# Altium PCB MailboxSensorV2.PcbDoc (part 1 of 2) (continued)
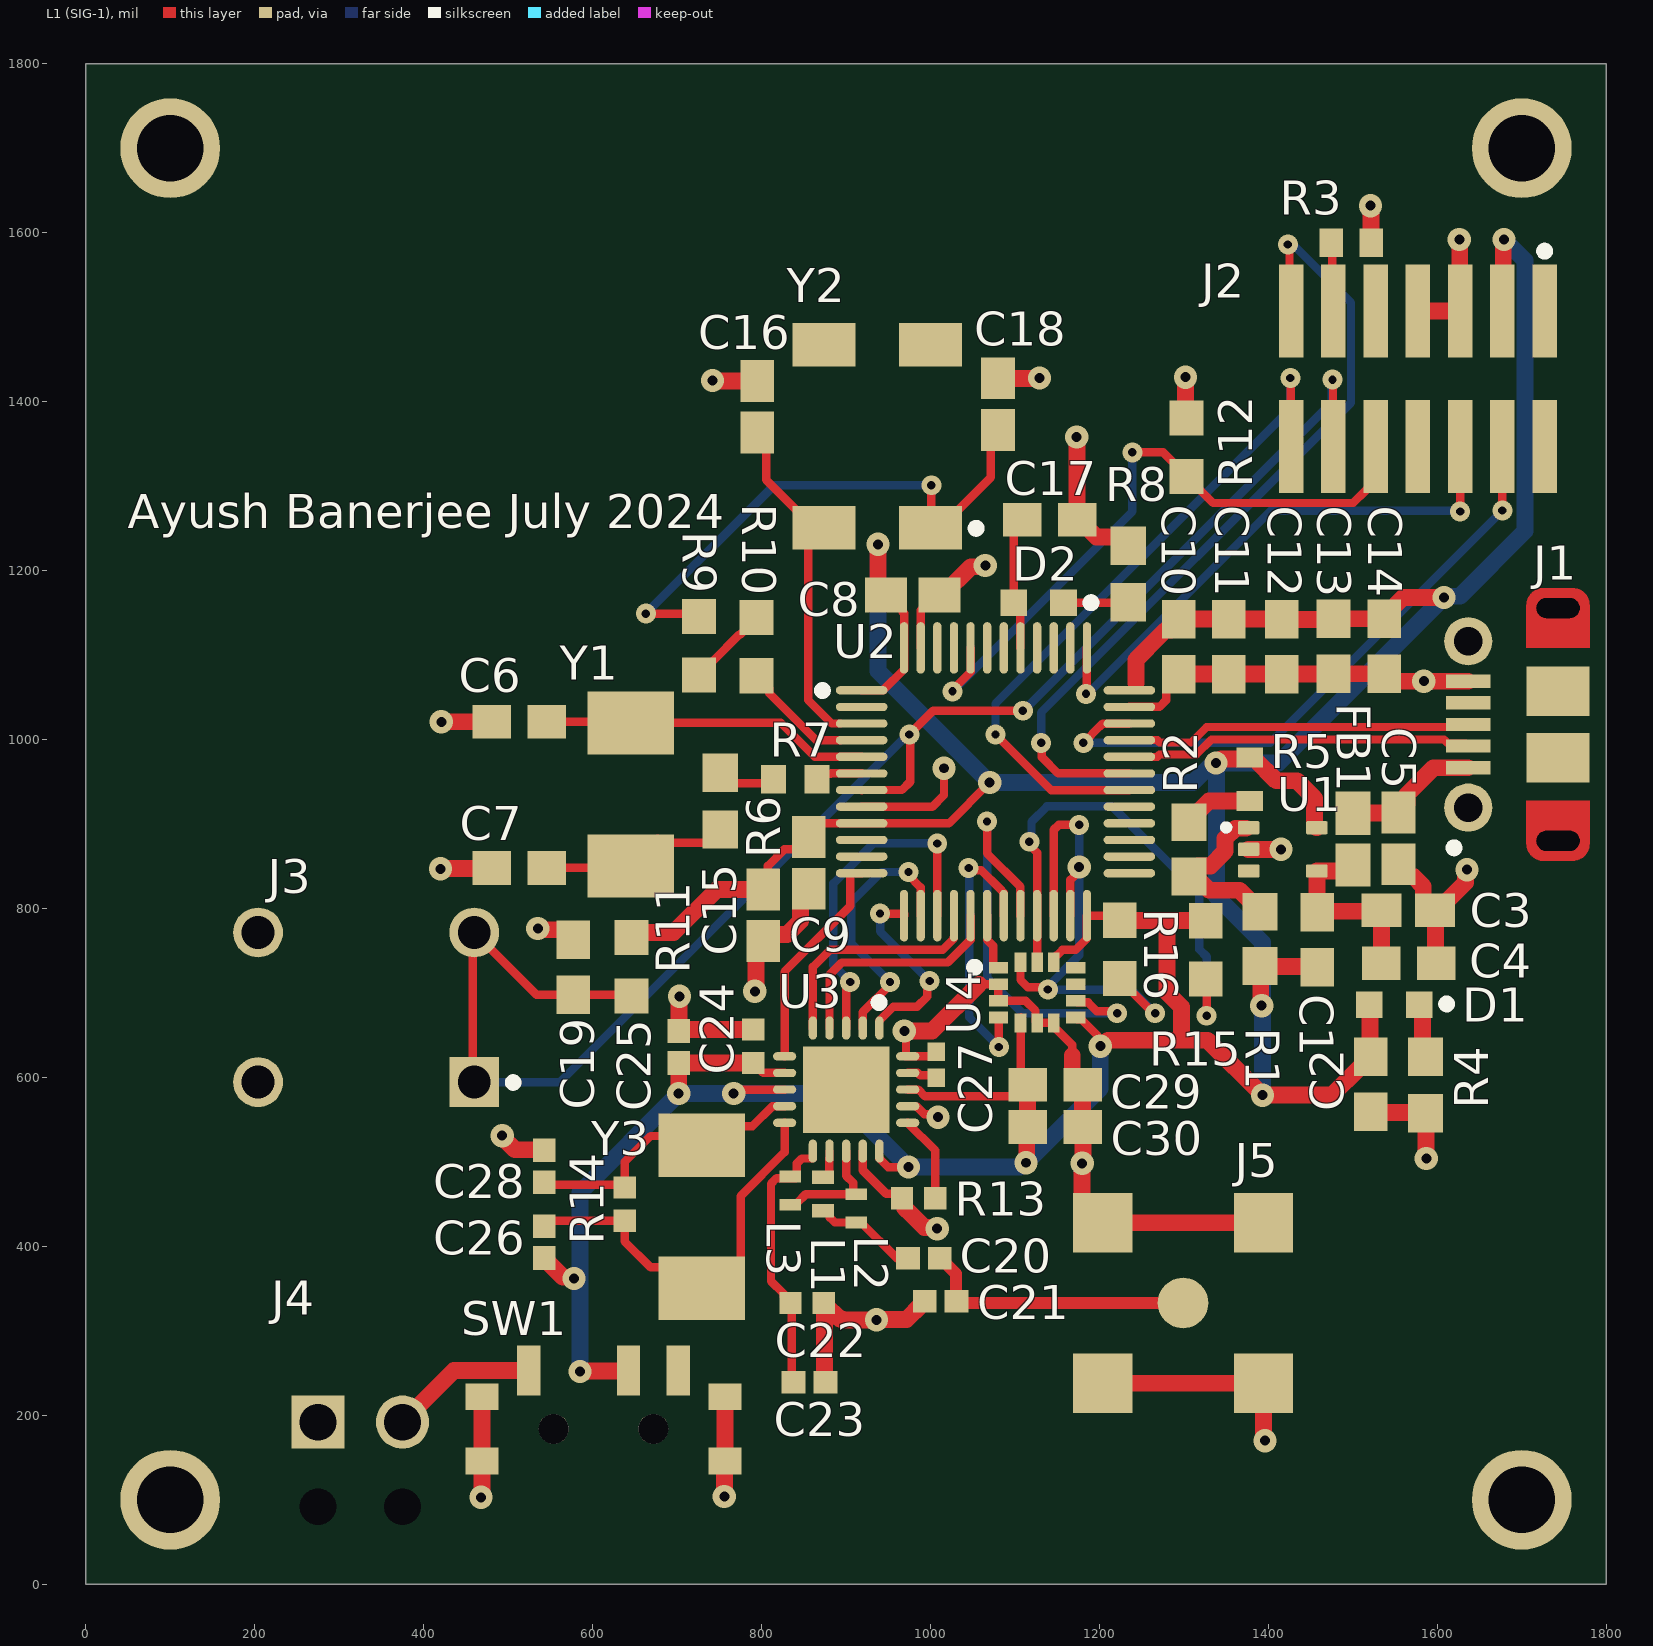
[diagram p0: L1 (SIG-1) view]
## Components (designator, comment, footprint, x,y, rotation, side; value= is the part's Value field where it differs from the comment)
C1 "0.1 uF" 0_1uF_0603_Capacitor 1458,763 r270 top value=100nF
C2 "0.47uF" 0_47uF_0603_Capacitor 1521,592 r270 top value=470nF
C3 "10 uF" 10uF_0603_Capacitor 1565.57,798 r0 top value=10uF
C4 "0.1 uF" 0_1uF_0603_Capacitor 1566,735 r0 top value=100nF
C5 "10 nF" 10nF_0603_Capacitor 1554,883 r270 top value=10nF
C6 "22 pF" 22pF_0603_Capacitor 513,1021 r180 top value=22pF
C7 "22 pF" 22pF_0603_Capacitor 513,848 r180 top value=22pF
C8 "4.7 uF" 4_7uF_0603_Capacitor 979,1171 r0 top value=4.7uF
C9 "1 uF" 1uF_0603_Capacitor 856,854 r270 top value=1uF
C10 "0.1 uF" 0_1uF_0603_Capacitor 1294,1110 r270 top value=100nF
C11 "0.1 uF" 0_1uF_0603_Capacitor 1353,1110 r270 top value=100nF
C12 "0.1 uF" 0_1uF_0603_Capacitor 1416,1110 r270 top value=100nF
C13 "0.1 uF" 0_1uF_0603_Capacitor 1477,1110.45 r270 top value=100nF
C14 "0.1 uF" 0_1uF_0603_Capacitor 1537,1110.45 r270 top value=100nF
C15 "10 nF" 10nF_0603_Capacitor 802,792 r270 top value=10nF
C16 "20 pF" 20pF_0603_Capacitor 795,1394 r90 top value=20pF
C17 "0.47uF" 0_47uF_0603_Capacitor 1141,1260 r0 top value=470nF
C18 "20 pF" 20pF_0603_Capacitor 1080,1397 r90 top value=20pF
C19 "0.1 uF" 0_1uF_0603_Capacitor 577,730.45 r90 top value=100nF
C20 "1.5 pF" 1_5pF_0402_Capacitor 992.16,386 r180 top value=1.5pF
C21 "1 pF" 1pF_0402_Capacitor 1012,335 r180 top value=1pF
C22 "2.2 nF" 2_2nF_0402_Capacitor 854,333 r0 top value=2.2nF
C23 "4.7 pF" 4_7pF_0402_Capacitor 856.81,238.96 r0 top value=4.7pF
C24 "10 nF" 10nF_0402_Capacitor 790,637 r90 top value=10nF
C25 "1 nF" 1nF_0402_Capacitor 702,636 r90 top value=1nF
C26 "20 pF" 20pF_0402_Capacitor 543,405 r90 top value=20pF
C27 "33 nF" 33nF_0402_Capacitor 1007,615 r90 top value=33nF
C28 "20 pF" 20pF_0402_Capacitor 543,494.84 r270 top value=20pF
C29 "0.1 uF" 0_1uF_0603_Capacitor 1147.5,591.33 r0 top value=100nF
C30 "0.1 uF" 0_1uF_0603_Capacitor 1147.5,541.33 r0 top value=100nF
D1 "Green" Green_LED 1549,686 r180 top
D2 "Blue" Blue_LED 1128,1162 r180 top
FB1 "BLM18PG221SN1D" Ferrite_Bead 1500,882 r90 top
J1 "USB_Connector" MICRO_USB 1689.76,1017.82 r90 top
J2 "FTSH-107-01-L-DV-K" SWD_Header_Connector 1577,1427.12 r180 top
J3 "Push" Push_Button 332,683 r180 top
J4 "Terminal" Screw_Terminal 325,192 r0 top
J5 "SMA" SMA_Connector 1299,333 r0 top
L1 "3.9 nH" 3_9nH_0402_Inductor 873,462 r270 top
L2 "8.2 nH" 8_2nH_0402_Inductor 912,445 r270 top
L3 "2.7 nH" 2_7nH_0402_Inductor 834,466 r90 top
R1 "1 M" 1M_0603_Resistor 1390,764 r270 top value=1MR
R2 "1 M" 1M_0603_Resistor 1306,870 r270 top value=1MR
R3 "100 R" 100R_0603_Resistor 1498,1588 r180 top value=100R
R4 "180 R" 180R_0603_Resistor 1586,591 r90 top value=180R
R5 "750 k" 750k_0603_Resistor 1378,953 r270 top value=750kR
R6 "680 R" 680R_0603_Resistor 751,927 r90 top value=680R
R7 "220 R" 220R_0603_Resistor 840,953 r0 top value=220R
R8 "180 R" 180R_0603_Resistor 1234,1196 r90 top value=180R
R9 "100 k" 100k_0603_Resistor 726,1111 r270 top value=100kR
R10 "150 k" 150k_0603_Resistor 794,1110 r270 top value=150kR
R11 "10 k" 10k_0603_Resistor 646,731 r270 top value=10kR
R12 "10 k" 10k_0603_Resistor 1303,1346 r270 top value=10kR
R13 "22 k" 22k_0402_Resistor 986,457 r0 top value=22kR
R14 "1 M" 1M_0402_Resistor 638,450 r270 top value=1MR
R15 "10 k" 10k_0603_Resistor 1326,751 r270 top value=10kR
R16 "10 k" 10k_0603_Resistor 1224,751.48 r270 top value=10kR
SW1 "Slide" Slide_Switch 612.94,154.47 r0 top
U1 "TPS71501DCKR" 5V_3V3_LDO 1417,870 r0 top
U2 "STM32F103C8T6" STM32 1077,950 r0 top
U3 "NRF24L01P-T" nRF_Transceiver 900.17,585.63 r270 top
U4 "LSM6DSR" IMU 1126.23,700.47 r0 top
Y1 "8MHz" 8MHz_Oscillator 645,935 r90 top
Y2 "32.768 kHz" 32_768MHz_Oscillator 937,1359 r90 top
Y3 "16 MHz" 16MHz_Oscillator 729,435 r270 top

## Footprints (in the part's own frame and the unit in brackets; to place one, negate y for a bottom-side part, rotate by r counter-clockwise, add the part's x,y. Pads: shape width x height; smd on the part's side, far side on the other; paste and mask are expansions set on the pad)
0_1uF_0603_Capacitor [mil]
  rect 45.62x39.85 smd paste+0 mask+0: 1(-32.55,0) 2(32.55,0)
  body extent -75,-40 75,40, height 10
0_47uF_0603_Capacitor [mil]
  rect 45.62x39.85 smd paste+0 mask+0: 1(-32.55,0) 2(32.55,0)
  body extent -75,-40 75,40, height 10
1_5pF_0402_Capacitor [mil]
  rect 28.16x26.48 smd paste+0 mask+0: 1(-18.84,0) 2(18.84,0)
  body extent -41,-21 41,21, height 10
1M_0402_Resistor [mil]
  rect 26.31x26.48 smd paste+0 mask+0: 1(-19.77,0) 2(19.77,0)
  body extent -41,-21 41,21, height 10
1M_0603_Resistor [mil]
  rect 44.69x41.82 smd paste+0 mask+0: 1(-32.1,0) 2(32.1,0)
  body extent -74,-41 74,41, height 10
1nF_0402_Capacitor [mil]
  rect 28.16x26.48 smd paste+0 mask+0: 1(-18.84,0) 2(18.84,0)
  body extent -41,-21 41,21, height 10
1pF_0402_Capacitor [mil]
  rect 28.16x26.48 smd paste+0 mask+0: 1(-18.84,0) 2(18.84,0)
  body extent -41,-21 41,21, height 10
1uF_0603_Capacitor [mil]
  rect 49.53x39.85 smd paste+0 mask+0: 1(-30.59,0) 2(30.59,0)
  body extent -75,-40 75,40, height 10
2_2nF_0402_Capacitor [mil]
  rect 26.31x26.48 smd paste+0 mask+0: 1(-19.77,0) 2(19.77,0)
  body extent -41,-21 41,21, height 10
2_7nH_0402_Inductor [mm]
  rect 0.35x0.65 smd paste+0 mask+0: 1(-0.425,0) 2(0.425,0)
  body extent -0.7,-0.45 0.7,0.45, height 0.25
3_9nH_0402_Inductor [mm]
  rect 0.41x0.66 smd paste+0 mask+0: 1(-0.505,0) 2(0.505,0)
  body extent -0.81,-0.45 0.81,0.45, height 0.25
4_7pF_0402_Capacitor [mil]
  rect 28.16x26.48 smd paste+0 mask+0: 1(-18.84,0) 2(18.84,0)
  body extent -41,-21 41,21, height 10
4_7uF_0603_Capacitor [mil]
  rect 49.46x41.66 smd paste+0 mask+0: 1(-31.53,0) 2(31.53,0)
  body extent -76,-41 76,41, height 10
5V_3V3_LDO [mm] "SOT23, 5-Leads, Body 2.15x1.4mm, Pitch 0.65mm, IPC High Density"
  rrect25% 0.65x0.4 smd mask+0: 1(-1.025,0.65) 2(-1.025,0) 3(-1.025,-0.65) 4(1.025,-0.65) 5(1.025,0.65)
  silkscreen extent -1.76,0.6 -1.65,0.72, body extent -1.14,-1 1.14,1, height 0.94
8_2nH_0402_Inductor [mm]
  rect 0.35x0.65 smd paste+0 mask+0: 1(-0.425,0) 2(0.425,0)
  body extent -0.7,-0.45 0.7,0.45, height 0.25
8MHz_Oscillator [mm]
  rect 1.9x2.6 smd paste+0 mask+0: 1(-2.15,0) 2(2.15,0)
  body extent -3.2,-1.95 3.2,1.95, height 0.25
10k_0603_Resistor [mil]
  rect 41.68x39.85 smd paste+0 mask+0: 1(-34.52,0) 2(34.52,0)
  body extent -75,-40 75,40, height 10
10nF_0402_Capacitor [mil]
  rect 26.31x26.48 smd paste+0 mask+0: 1(-19.77,0) 2(19.77,0)
  body extent -41,-21 41,21, height 10
10nF_0603_Capacitor [mil]
  rect 49.53x39.85 smd paste+0 mask+0: 1(-30.59,0) 2(30.59,0)
  body extent -75,-40 75,40, height 10
10uF_0603_Capacitor [mil]
  rect 47.57x39.85 smd paste+0 mask+0: 1(-31.57,0) 2(31.57,0)
  body extent -75,-40 75,40, height 10
16MHz_Oscillator [mm]
  rect 1.9x2.6 smd paste+0 mask+0: 1(-2.15,0) 2(2.15,0)
  body extent -3.2,-1.95 3.2,1.95, height 0.25
20pF_0402_Capacitor [mil]
  rect 28.16x26.48 smd paste+0 mask+0: 1(-18.84,0) 2(18.84,0)
  body extent -41,-21 41,21, height 10
20pF_0603_Capacitor [mil]
  rect 49.53x39.85 smd paste+0 mask+0: 1(-30.59,0) 2(30.59,0)
  body extent -75,-40 75,40, height 10
22k_0402_Resistor [mil]
  rect 26.31x26.48 smd paste+0 mask+0: 1(-19.77,0) 2(19.77,0)
  body extent -41,-21 41,21, height 10
22pF_0603_Capacitor [mil]
  rect 45.62x39.85 smd paste+0 mask+0: 1(-32.55,0) 2(32.55,0)
  body extent -75,-40 75,40, height 10
32_768MHz_Oscillator [mm]
  rect 1.3x1.9 smd paste+0 mask+0: 1(-2.75,-1.6) 2(2.75,-1.6) 3(2.75,1.6) 4(-2.75,1.6)
  silkscreen extent -2.9,-3.1 -2.64,-2.85, body extent -4.3,-2.65 4.3,2.65, height 0.25
33nF_0402_Capacitor [mm] "Chip Capacitor, 2-Leads, Body 1.00x0.50mm, IPC High Density"
  rect 0.56x0.52 smd mask+0: 1(-0.39,0) 2(0.39,0)
  body extent -0.53,-0.28 0.53,0.28, height 0.55
100k_0603_Resistor [mil]
  rect 41.68x39.85 smd paste+0 mask+0: 1(-34.52,0) 2(34.52,0)
  body extent -75,-40 75,40, height 10
100R_0603_Resistor [mm] "Chip Resistor, 2-Leads, Body 1.65x0.95mm, IPC High Density"
  rect 0.7x0.85 smd mask+0: 1(-0.6,0) 2(0.6,0)
  body extent -0.82,-0.48 0.82,0.48, height 0.5
150k_0603_Resistor [mil]
  rect 41.68x39.85 smd paste+0 mask+0: 1(-34.52,0) 2(34.52,0)
  body extent -75,-40 75,40, height 10
180R_0603_Resistor [mil]
  rect 45.53x41.82 smd paste+0 mask+0: 1(-33.5,0) 2(33.5,0)
  body extent -76,-41 76,41, height 10
220R_0603_Resistor [mm] "Chip Resistor, 2-Leads, Body 1.75x0.95mm, IPC High Density"
  rect 0.75x0.85 smd mask+0: 1(-0.65,0) 2(0.65,0)
  body extent -0.87,-0.48 0.87,0.48, height 0.55
680R_0603_Resistor [mil]
  rect 45.53x41.82 smd paste+0 mask+0: 1(-33.5,0) 2(33.5,0)
  body extent -76,-41 76,41, height 10
750k_0603_Resistor [mm] "Chip Resistor, 2-Leads, Body 1.60x0.80mm, IPC High Density"
  rect 0.6x0.8 smd mask+0: 1(-0.65,0) 2(0.65,0)
  body extent -0.85,-0.45 0.85,0.45, height 0.55
Blue_LED [mm]
  rect 0.8x0.8 smd paste+0 mask+0: 1(-0.75,0) 2(0.75,0)
  silkscreen extent -1.7,-0.13 -1.45,0.13, body extent -1.25,-0.55 1.25,0.55, height 0.25
Ferrite_Bead [mil]
  rect 51.42x41.66 smd paste+0 mask+0: 1(-30.55,0) 2(30.55,0)
  body extent -76,-41 76,41, height 10
Green_LED [mm]
  rect 0.8x0.8 smd paste+0 mask+0: 1(-0.75,0) 2(0.75,0)
  silkscreen extent -1.7,-0.15 -1.45,0.1, body extent -1.25,-0.6 1.25,0.6, height 0.25
IMU [mm]
  rect 0.575x0.35 smd paste-1000 mask+0: 1(-1.162,0.75) 2(-1.162,0.25) 3(-1.162,-0.25) 4(-1.162,-0.75) 8(1.162,-0.75) 9(1.162,-0.25) 10(1.162,0.25) 11(1.162,0.75)
  rect 0.35x0.575 smd paste-1000 mask+0: 5(-0.5,-0.913) 6(0,-0.913) 7(0.5,-0.913) 12(0.5,0.913) 13(0,0.913) 14(-0.5,0.913)
  silkscreen extent -2.01,0.64 -1.75,0.89, body extent -2.05,-1.8 2.05,1.8, height 0.25
MICRO_USB [mm] "USB, MICRO B, Body 7.491x4.695 mm, Pitch 0.65 mm"
  rect 0.4x1.35 smd mask+0: 1(-1.3,1.35) 2(-0.65,1.35) 3(0,1.35) 4(0.65,1.35) 5(1.3,1.35)
  round 1.45 hole 0.85 mask+0: 6(-2.5,1.35) 7(2.5,1.35)
  rrect50% 0x0 hole 0.6 slot 1.3 at 90 deg mask+0: 8(-3.5,-1.35) 11(3.5,-1.35)
  rect 1.5x1.9 smd mask+0: 9(-1,-1.35) 10(1,-1.35)
  L1 (SIG-1) circle w0.5: c3.6,-0.9 r0.25
  L1 (SIG-1) circle w0.5: c3.6,-1.8 r0.25
  L1 (SIG-1) circle w0.5: c-3.6,-0.9 r0.25
  L1 (SIG-1) circle w0.5: c-3.6,-1.8 r0.25
  L1 (SIG-1) region: 2.3,-0.4 2.3,-2.3 3.6,-2.3 3.6,-0.4
  L1 (SIG-1) region: 3.6,-0.9 3.6,-1.8 4.1,-1.8 4.1,-0.9
  L1 (SIG-1) region: -3.6,-1.8 -3.6,-0.9 -4.1,-0.9 -4.1,-1.8
  L1 (SIG-1) region: -2.3,-2.3 -2.3,-0.4 -3.6,-0.4 -3.6,-2.3
  silkscreen extent -3.84,1.65 -3.58,1.9, body extent -4.1,-3.9 4.1,1.5, height 2.67
nRF_Transceiver [mm] "QFN, 20-Leads, Body 4x4mm, Pitch 0.5mm, Thermal Pad 2.6x2.6mm, IPC High Density"
  oval 0.7x0.25 smd mask+0: 1(-1.85,1) 2(-1.85,0.5) 3(-1.85,0) 4(-1.85,-0.5) 5(-1.85,-1) 11(1.85,-1) 12(1.85,-0.5) 13(1.85,0) 14(1.85,0.5) 15(1.85,1)
  oval 0.25x0.7 smd mask+0: 6(-1,-1.85) 7(-0.5,-1.85) 8(0,-1.85) 9(0.5,-1.85) 10(1,-1.85) 16(1,1.85) 17(0.5,1.85) 18(0,1.85) 19(-0.5,1.85) 20(-1,1.85)
  rect 2.6x2.6 smd mask+0: 21(0,0)
  silkscreen extent -2.74,0.86 -2.49,1.12, body extent -2,-2 2,2, height 0.95
Push_Button [mm] "Switch, 4-Leads, Body 5.99x5.99mm"
  rect 1.5x1.5 hole 0.99 mask+0: 1(-3.25,2.25)
  round 1.5 hole 0.99 mask+0: 2(3.25,2.25) 3(-3.25,-2.25) 4(3.25,-2.25)
  silkscreen extent -4.54,2.14 -4.3,2.39, body extent -3,-2.99 2.99,3, height 5
Screw_Terminal [mm] "Connector, 2-Leads, Body 6.2x5.4mm, Pitch 2.54mm"
  rect 1.6x1.6 hole 1.1 mask+0: 1(-1.27,0)
  round 1.6 hole 1.1 mask+0: 2(1.27,0)
  round 0 hole 1.1 unplated: MH1(-1.27,-2.54) MH2(1.27,-2.54)
  body extent -2.77,-3.1 2.77,3.1, height 9
Slide_Switch [mm]
  rect 0.7x1.5 smd paste+0 mask+0: 1(-2.25,2.5) 2(0.75,2.5) 3(2.25,2.5)
  rect 1x0.8 smd paste+0 mask+0: 4(-3.65,1.715) 5(3.65,1.715) 6(-3.65,-0.215) 7(3.65,-0.215)
  round 0.9 hole 0.9 unplated paste-2539.97 mask+0: ""(-1.5,0.75) ""(1.5,0.75)
  body extent -4.25,-2.15 4.25,3.35, height 0.25
SMA_Connector [mil]
  round 60 smd paste+0 mask+0: 1(0,0)
  rect 70x70 smd paste+0 mask+0: 2(-95,95) 3(95,95) 4(-95,-95) 5(95,-95)
  body extent -134,-134 134,134, height 10
STM32 [mm] "QFP, 48-Leads, Body 7x7mm, Pitch 0.5mm, IPC High Density"
  oval 1.55x0.25 smd mask+0: 1(-4.025,2.75) 2(-4.025,2.25) 3(-4.025,1.75) 4(-4.025,1.25) 5(-4.025,0.75) 6(-4.025,0.25) 7(-4.025,-0.25) 8(-4.025,-0.75) 9(-4.025,-1.25) 10(-4.025,-1.75) 11(-4.025,-2.25) 12(-4.025,-2.75) 25(4.025,-2.75) 26(4.025,-2.25) 27(4.025,-1.75) 28(4.025,-1.25) 29(4.025,-0.75) 30(4.025,-0.25) 31(4.025,0.25) 32(4.025,0.75) 33(4.025,1.25) 34(4.025,1.75) 35(4.025,2.25) 36(4.025,2.75)
  oval 0.25x1.55 smd mask+0: 13(-2.75,-4.025) 14(-2.25,-4.025) 15(-1.75,-4.025) 16(-1.25,-4.025) 17(-0.75,-4.025) 18(-0.25,-4.025) 19(0.25,-4.025) 20(0.75,-4.025) 21(1.25,-4.025) 22(1.75,-4.025) 23(2.25,-4.025) 24(2.75,-4.025) 37(2.75,4.025) 38(2.25,4.025) 39(1.75,4.025) 40(1.25,4.025) 41(0.75,4.025) 42(0.25,4.025) 43(-0.25,4.025) 44(-0.75,4.025) 45(-1.25,4.025) 46(-1.75,4.025) 47(-2.25,4.025) 48(-2.75,4.025)
  silkscreen extent -5.33,2.62 -5.08,2.87, body extent -3.5,-3.5 3.5,3.5, height 1.6
SWD_Header_Connector [mm]
  rect 0.74x2.79 smd paste+0 mask+0: 1(-3.81,-2.035) 2(-3.81,2.035) 3(-2.54,-2.035) 4(-2.54,2.035) 5(-1.27,-2.035) 6(-1.27,2.035) 7(0,-2.035) 8(0,2.035) 9(1.27,-2.035) 10(1.27,2.035) 11(2.54,-2.035) 12(2.54,2.035) 13(3.81,-2.035) 14(3.81,2.035)
  silkscreen extent -3.94,-3.96 -3.68,-3.71, body extent -4.61,-3.53 4.61,3.53, height 0.25

## Part data
C1 C4 C10 C11 C12 C13 C14 C19 C29 C30: library part 0_1uF_0603_Capacitor, "Ceramic Capacitor, Multilayer, Ceramic, 50V, 10% +Tol, 10% -Tol, X8L, -40/+15% TC, 0.1uF, Surface Mount, 0603, GCM188L81H104KA57D", Capacitor Type=Ceramic, Case/Package=0603, Manufacturer=Murata, Manufacturer Part Number=GCM188L81H104KA57D, Max Operating Temperature=150°C, Min Operating Temperature=-55°C, Package Shape=Rectangular, Rated DC Voltage (URdc)=50V, Supplier Part Number=490-6049-1-ND, Temperature Characteristics Code=X8L, Tolerance  (fill in as +-)=10%, Category="Ceramic Capacitors", ComponentLink1Description=https://datasheet.ciiva.com:443/pdfs/VipMasterIC/IC/MURE/MURE-S-A0004370842/MURE-S-A0004371512-1.pdf?src-supplier=IHS+Markit, ComponentLink1URL=https://datasheet.ciiva.com:443/pdfs/VipMasterIC/IC/MURE/MURE-S-A0004370842/MURE-S-A0004371512-1.pdf?src-supplier=IHS+Markit, Dielectric Material=Ceramic, JESD-609 Code=e3, Mounting Technology="Surface Mount", Multilayer=Yes, Packaging="Tape and Reel", Pins=2, Pricing="1=0.13, 10=0.087, 50=0.0522, 100=0.0411, 500=0.03032, 1000=0.0251 (USD)", Reach SVHC Compliant=Yes, Reference Standard=AEC-Q200, RoHS=Yes, RoHS Compliant=Yes, Stock=1946064, Supplier=Digikey, Supplier 1=Digikey, Supplier Part Number 1=490-6049-1-ND, Terminal Finish=Nickel, Termination=Wraparound, Tolerance (fill in as +-)=10%
C2 C17: library part 0_47uF_0603_Capacitor, "Ceramic Capacitor, Multilayer, Ceramic, 25V, 10% +Tol, 10% -Tol, X7R, 15% TC, 0.47uF, Surface Mount, 0603, GRM188R71E474KA12D", Capacitor Type=Ceramic, Case/Package=0603, Manufacturer=Murata, Manufacturer Part Number=GRM188R71E474KA12D, Max Operating Temperature=125°C, Min Operating Temperature=-55°C, Package Shape=Rectangular, Package Style=SMTMeter, Rated DC Voltage (URdc)=25V, Supplier Part Number=490-3291-1-ND, Temperature Characteristics Code=X7R, Tolerance  (fill in as +-)=10%, Category="Ceramic Capacitors", ComponentLink1Description=https://datasheet.ciiva.com:443/pdfs/VipMasterIC/IC/MURE/MURE-S-A0004380799/MURE-S-A0004387457-1.pdf?src-supplier=IHS+Markit, ComponentLink1URL=https://datasheet.ciiva.com:443/pdfs/VipMasterIC/IC/MURE/MURE-S-A0004380799/MURE-S-A0004387457-1.pdf?src-supplier=IHS+Markit, Dielectric Material=Ceramic, Height=0.8mm, JESD-609 Code=e3, Length=1.6mm, Mounting Technology="Surface Mount", Multilayer=Yes, Packaging="Tape and Reel", Pins=2, Pricing="1=0.16, 10=0.107, 50=0.0642, 100=0.0505, 500=0.03728, 1000=0.03087 (USD)", Reach SVHC Compliant=Yes, RoHS=Yes, RoHS Compliant=Yes, Stock=1965293, Supplier=Digikey, Supplier 1=Digikey, Supplier Part Number 1=490-3291-1-ND, Terminal Finish=Nickel, Termination=Wraparound, Tolerance (fill in as +-)=10%, Width=0.8mm
C3: library part 10uF_0603_Capacitor, "Ceramic Capacitor, Multilayer, Ceramic, 6.3V, 10% +Tol, 10% -Tol, X5R, 15% TC, 10uF, Surface Mount, 0603, GRM188R60J106KE47D", Capacitor Type=Ceramic, Case/Package=0603, Manufacturer=Murata, Manufacturer Part Number=GRM188R60J106KE47D, Max Operating Temperature=85°C, Min Operating Temperature=-55°C, Package Shape=Rectangular, Rated DC Voltage (URdc)=6.3V, Supplier Part Number=490-12538-1-ND, Temperature Characteristics Code=X5R, Tolerance  (fill in as +-)=10%, Category="Ceramic Capacitors", ComponentLink1Description=https://psearch.en.murata.com:443/capacitor/product/GRM188R60J106KE47%23.pdf?src-supplier=IHS+Markit, ComponentLink1URL=https://psearch.en.murata.com:443/capacitor/product/GRM188R60J106KE47%23.pdf?src-supplier=IHS+Markit, ComponentLink2Description=http://www.farnell.com/datasheets/1955679.pdf?src-supplier=Farnell, ComponentLink2URL=http://www.farnell.com/datasheets/1955679.pdf?src-supplier=Farnell, ComponentLink3Description=http://www.mouser.com/ds/2/281/c02e-2905.pdf?src-supplier=Mouser, ComponentLink3URL=http://www.mouser.com/ds/2/281/c02e-2905.pdf?src-supplier=Mouser, ComponentLink4Description=http://search.murata.co.jp/Ceramy/image/img/A01X/G101/ENG/GRM188R60J106KE47-02.pdf?src-supplier=Digikey, ComponentLink4URL=http://search.murata.co.jp/Ceramy/image/img/A01X/G101/ENG/GRM188R60J106KE47-02.pdf?src-supplier=Digikey, ComponentLink5Description=http://psearch.en.murata.com/capacitor/product/GRM188R60J106KE47%23.pdf?src-supplier=Avnet, ComponentLink5URL=http://psearch.en.murata.com/capacitor/product/GRM188R60J106KE47%23.pdf?src-supplier=Avnet, ComponentLink6Description=https://datasheet.octopart.com/GRM188R60J106KE47D-Murata-datasheet-76796297.pdf?src-supplier=Future+Electronics, ComponentLink6URL=https://datasheet.octopart.com/GRM188R60J106KE47D-Murata-datasheet-76796297.pdf?src-supplier=Future+Electronics, ComponentLink7Description=https://datasheet.octopart.com/GRM188R60J106KE47D-Murata-datasheet-46741883.pdf?src-supplier=Element14, ComponentLink7URL=https://datasheet.octopart.com/GRM188R60J106KE47D-Murata-datasheet-46741883.pdf?src-supplier=Element14, ComponentLink8Description=http://www.farnell.com/datasheets/1955679.pdf?src-supplier=Newark, ComponentLink8URL=http://www.farnell.com/datasheets/1955679.pdf?src-supplier=Newark, ComponentLink9Description=http://www.farnell.com/datasheets/1955679.pdf?src-supplier=Element14, ComponentLink9URL=http://www.farnell.com/datasheets/1955679.pdf?src-supplier=Element14, Dielectric Material=Ceramic, JESD-609 Code=e3, Mounting Technology="Surface Mount", Multilayer=Yes, Packaging="Tape and Reel", Pins=2, Pricing="1=0.13, 10=0.089, 50=0.053, 100=0.0417, 500=0.03078, 1000=0.02549 (USD)", Reach SVHC Compliant=Yes, RoHS=Yes, RoHS Compliant=Yes, Stock=318904, Supplier=Digikey, Supplier 1=Digikey, Supplier Part Number 1=490-12538-1-ND, Terminal Finish=Nickel, Termination=Wraparound, Tolerance (fill in as +-)=10%
C5 C15: library part 10nF_0603_Capacitor, "Ceramic Capacitor, Multilayer, Ceramic, 50V, 10% +Tol, 10% -Tol, X7R, 15% TC, 0.01uF, Surface Mount, 0603, CC0603KRX7R9BB103", Capacitor Type=Ceramic, Case/Package=0603, Manufacturer=Yageo, Manufacturer Part Number=CC0603KRX7R9BB103, Max Operating Temperature=125°C, Min Operating Temperature=-55°C, Package Shape=Rectangular, Package Style=SMTMeter, Rated DC Voltage (URdc)=50V, Supplier Part Number=311-1085-1-ND, Temperature Characteristics Code=X7R, Tolerance  (fill in as +-)=10%, Category="Ceramic Capacitors", ComponentLink1Description=https://datasheet.ciiva.com:443/pdfs/VipMasterIC/IC/YAGO/YAGO-S-A0003557223/YAGO-S-A0003557223-1.pdf?src-supplier=IHS+Markit, ComponentLink1URL=https://datasheet.ciiva.com:443/pdfs/VipMasterIC/IC/YAGO/YAGO-S-A0003557223/YAGO-S-A0003557223-1.pdf?src-supplier=IHS+Markit, Dielectric Material=Ceramic, Height=0.8mm, JESD-609 Code=e3, Length=1.6mm, Mounting Technology="Surface Mount", Multilayer=Yes, Packaging="Tape and Reel", Pins=2, Pricing="1=0.1, 10=0.031, 50=0.0176, 100=0.0136, 500=0.01026, 1000=0.00805 (USD)", Reach SVHC Compliant=Yes, RoHS=Yes, RoHS Compliant=Yes, Stock=4399663, Supplier=Digikey, Supplier 1=Digikey, Supplier Part Number 1=311-1085-1-ND, Terminal Finish=Nickel, Termination=Wraparound, Tolerance (fill in as +-)=10%, Width=0.8mm
C6 C7: library part 22pF_0603_Capacitor, "Ceramic Capacitor, Multilayer, Ceramic, 100V, 5% +Tol, 5% -Tol, C0G, 30ppm/Cel TC, 0.000022uF, Surface Mount, 0603, GCM1885C2A220JA16D", Capacitor Type=Ceramic, Case/Package=0603, Manufacturer=Murata, Manufacturer Part Number=GCM1885C2A220JA16D, Max Operating Temperature=125°C, Min Operating Temperature=-55°C, Package Shape=Rectangular, Package Style=SMTMeter, Rated DC Voltage (URdc)=100V, Supplier Part Number=490-4942-1-ND, Temperature Characteristics Code=C0G, Tolerance  (fill in as +-)=5%, Category="Ceramic Capacitors", ComponentLink1Description=https://datasheet.ciiva.com:443/pdfs/VipMasterIC/IC/MURE/MURE-S-A0004365318/MURE-S-A0004370424-1.pdf?src-supplier=IHS+Markit, ComponentLink1URL=https://datasheet.ciiva.com:443/pdfs/VipMasterIC/IC/MURE/MURE-S-A0004365318/MURE-S-A0004370424-1.pdf?src-supplier=IHS+Markit, ComponentLink2Description=https://datasheet.ciiva.com/133/product-133318.pdf?src-supplier=Digikey, ComponentLink2URL=https://datasheet.ciiva.com/133/product-133318.pdf?src-supplier=Digikey, ComponentLink3Description=https://datasheet.ciiva.com/133/product-133319.pdf?src-supplier=Digikey, ComponentLink3URL=https://datasheet.ciiva.com/133/product-133319.pdf?src-supplier=Digikey, ComponentLink4Description=https://datasheet.ciiva.com/133/product-133320.pdf?src-supplier=Digikey, ComponentLink4URL=https://datasheet.ciiva.com/133/product-133320.pdf?src-supplier=Digikey, Dielectric Material=Ceramic, Height=0.9mm, JESD-609 Code=e3, Length=1.6mm, Mounting Technology="Surface Mount", Multilayer=Yes, Packaging="Tape and Reel", Pins=2, Pricing="1=0.11, 10=0.074, 50=0.0424, 100=0.0329, 500=0.02476, 1000=0.01946 (USD)", Reach SVHC Compliant=Yes, Reference Standard=AEC-Q200, RoHS=Yes, RoHS Compliant=Yes, Stock=113473, Supplier=Digikey, Supplier 1=Digikey, Supplier Part Number 1=490-4942-1-ND, Terminal Finish=Nickel, Termination=Wraparound, Tolerance (fill in as +-)=5%, Width=0.8mm
C8: library part 4_7uF_0603_Capacitor, "Ceramic Capacitor, Multilayer, Ceramic, 16V, 10% +Tol, 10% -Tol, X5R, 15% TC, 4.7uF, Surface Mount, 0603, GRM188R61C475KAAJD", Capacitor Type=Ceramic, Case/Package=0603, Manufacturer=Murata, Manufacturer Part Number=GRM188R61C475KAAJD, Max Operating Temperature=85°C, Min Operating Temperature=-55°C, Package Shape=Rectangular, Rated DC Voltage (URdc)=16V, Supplier Part Number=81-GRM188R61C475KAJD, Temperature Characteristics Code=X5R, Tolerance  (fill in as +-)=10%, Category="Ceramic Capacitors", ComponentLink1Description=https://datasheet.ciiva.com:443/pdfs/VipMasterIC/IC/MURE/MURE-S-A0004349797/MURE-S-A0004352628-1.pdf?src-supplier=IHS+Markit, ComponentLink1URL=https://datasheet.ciiva.com:443/pdfs/VipMasterIC/IC/MURE/MURE-S-A0004349797/MURE-S-A0004352628-1.pdf?src-supplier=IHS+Markit, ComponentLink2Description=https://datasheet.ciiva.com/14813/595grm188r61c475kaaj23-14813668.pdf?src-supplier=Arrow+Electronics, ComponentLink2URL=https://datasheet.ciiva.com/14813/595grm188r61c475kaaj23-14813668.pdf?src-supplier=Arrow+Electronics, Dielectric Material=Ceramic, JESD-609 Code=e3, Mounting Technology="Surface Mount", Multilayer=Yes, Packaging="Tape and Reel", Pins=2, Pricing="1=0.28, 10=0.194, 50=0.194, 100=0.117, 1000=0.09, 10000=0.074 (USD)", Reach SVHC Compliant=Yes, RoHS=Yes, RoHS Compliant=Yes, Stock=109257, Supplier=Mouser, Supplier 1=Mouser, Supplier Part Number 1=81-GRM188R61C475KAJD, Terminal Finish=Nickel, Termination=Wraparound, Tolerance (fill in as +-)=10%
C9: library part 1uF_0603_Capacitor, "Ceramic Capacitor, Multilayer, Ceramic, 50V, 10% +Tol, 10% -Tol, X5R, 15% TC, 1uF, Surface Mount, 0603, CC0603KRX5R9BB105", Capacitor Type=Ceramic, Case/Package=0603, Manufacturer=Yageo, Manufacturer Part Number=CC0603KRX5R9BB105, Max Operating Temperature=85°C, Min Operating Temperature=-55°C, Package Shape=Rectangular, Package Style=SMTMeter, Rated DC Voltage (URdc)=50V, Supplier Part Number=311-1787-1-ND, Temperature Characteristics Code=X5R, Tolerance  (fill in as +-)=10%, Category="Ceramic Capacitors", ComponentLink1Description=https://datasheet.ciiva.com:443/pdfs/VipMasterIC/IC/YAGO/YAGO-S-A0006851646/YAGO-S-A0006851646-1.pdf?src-supplier=IHS+Markit, ComponentLink1URL=https://datasheet.ciiva.com:443/pdfs/VipMasterIC/IC/YAGO/YAGO-S-A0006851646/YAGO-S-A0006851646-1.pdf?src-supplier=IHS+Markit, ComponentLink2Description=http://www.mouser.com/ds/2/447/Yageo_UPY-GP_NP0_16V-to-50V_9-358835.pdf?src-supplier=Mouser, ComponentLink2URL=http://www.mouser.com/ds/2/447/Yageo_UPY-GP_NP0_16V-to-50V_9-358835.pdf?src-supplier=Mouser, ComponentLink3Description=https://datasheet.octopart.com/CC0603KRX5R9BB105-Yageo-datasheet-170350636.pdf?src-supplier=Future+Electronics, ComponentLink3URL=https://datasheet.octopart.com/CC0603KRX5R9BB105-Yageo-datasheet-170350636.pdf?src-supplier=Future+Electronics, ComponentLink4Description=http://www.yageo.com/documents/recent/UPY-GPHC_X5R_4V-to-50V_25.pdf?src-supplier=Digikey, ComponentLink4URL=http://www.yageo.com/documents/recent/UPY-GPHC_X5R_4V-to-50V_25.pdf?src-supplier=Digikey, ComponentLink5Description=https://datasheet.octopart.com/CC0603KRX5R9BB105-Yageo-datasheet-140260304.pdf?src-supplier=Newark, ComponentLink5URL=https://datasheet.octopart.com/CC0603KRX5R9BB105-Yageo-datasheet-140260304.pdf?src-supplier=Newark, Dielectric Material=Ceramic, Height=0.8mm, JESD-609 Code=e3, Length=1.6mm, Mounting Technology="Surface Mount", Multilayer=Yes, Packaging="Tape and Reel", Pins=2, Pricing="1=0.27, 10=0.178, 50=0.1124, 100=0.09, 500=0.065, 1000=0.05749 (USD)", Reach SVHC Compliant=Yes, RoHS=Yes, RoHS Compliant=Yes, Stock=90188, Supplier=Digikey, Supplier 1=Digikey, Supplier Part Number 1=311-1787-1-ND, Terminal Finish=Nickel, Termination=Wraparound, Tolerance (fill in as +-)=10%, Width=0.8mm
C16 C18: library part 20pF_0603_Capacitor, "Ceramic Capacitor, Multilayer, Ceramic, 50V, 5% +Tol, 5% -Tol, C0G, -/+30ppm/Cel TC, 0.00002uF, Surface Mount, 0603, CC0603JRNPO9BN200", Capacitor Type=Ceramic, Case/Package=0603, Manufacturer=Yageo, Manufacturer Part Number=CC0603JRNPO9BN200, Max Operating Temperature=125°C, Min Operating Temperature=-55°C, Package Shape=Rectangular, Rated DC Voltage (URdc)=50V, Supplier Part Number=311-1424-1-ND, Temperature Characteristics Code=C0G, Tolerance  (fill in as +-)=5%, Category="Ceramic Capacitors", ComponentLink1Description=https://datasheet.ciiva.com:443/pdfs/VipMasterIC/IC/YAGO/YAGOS02763/YAGOS02763-1.pdf?src-supplier=IHS+Markit, ComponentLink1URL=https://datasheet.ciiva.com:443/pdfs/VipMasterIC/IC/YAGO/YAGOS02763/YAGOS02763-1.pdf?src-supplier=IHS+Markit, ComponentLink2Description=https://datasheet.ciiva.com/176/mlccorderingcode-176538.pdf?src-supplier=Digikey, ComponentLink2URL=https://datasheet.ciiva.com/176/mlccorderingcode-176538.pdf?src-supplier=Digikey, ComponentLink3Description=https://datasheet.ciiva.com/176/mlccorderingcode-176539.pdf?src-supplier=Digikey, ComponentLink3URL=https://datasheet.ciiva.com/176/mlccorderingcode-176539.pdf?src-supplier=Digikey, ComponentLink4Description=https://datasheet.ciiva.com/176/mlccorderingcode-176540.pdf?src-supplier=Digikey, ComponentLink4URL=https://datasheet.ciiva.com/176/mlccorderingcode-176540.pdf?src-supplier=Digikey, ComponentLink5Description=https://datasheet.ciiva.com/7978/1132289-7978134.pdf?src-supplier=Element14, ComponentLink5URL=https://datasheet.ciiva.com/7978/1132289-7978134.pdf?src-supplier=Element14, Dielectric Material=Ceramic, JESD-609 Code=e3, Mounting Technology="Surface Mount", Multilayer=Yes, Packaging="Tape and Reel", Pins=2, Pricing="1=0.1, 10=0.038, 50=0.0218, 100=0.017, 500=0.01276, 1000=0.01003 (USD)", Reach SVHC Compliant=Yes, RoHS=Yes, RoHS Compliant=Yes, Stock=218320, Supplier=Digikey, Supplier 1=Digikey, Supplier Part Number 1=311-1424-1-ND, Terminal Finish=Nickel, Termination=Wraparound, Tolerance (fill in as +-)=5%
C20: library part 1_5pF_0402_Capacitor, "Ceramic Capacitor, Multilayer, Ceramic, 50V, 6.67% +Tol, 6.67% -Tol, C0G, 30ppm/Cel TC, 0.0000015uF, Surface Mount, 0402, GJM1555C1H1R5BB01D", Capacitor Type=Ceramic, Case/Package=0402, Manufacturer=Murata, Manufacturer Part Number=GJM1555C1H1R5BB01D, Max Operating Temperature=125°C, Min Operating Temperature=-55°C, Package Shape=Rectangular, Package Style=SMTMeter, Rated DC Voltage (URdc)=50V, Supplier Part Number=490-8087-1-ND, Temperature Characteristics Code=C0G, Tolerance  (fill in as +-)=6.67%, Category="Ceramic Capacitors", ComponentLink1Description=https://datasheet.ciiva.com:443/pdfs/VipMasterIC/IC/MURE/MURE-S-A0008911298/MURE-S-A0008911391-1.pdf?src-supplier=IHS+Markit, ComponentLink1URL=https://datasheet.ciiva.com:443/pdfs/VipMasterIC/IC/MURE/MURE-S-A0008911298/MURE-S-A0008911391-1.pdf?src-supplier=IHS+Markit, ComponentLink2Description=https://datasheet.ciiva.com/8030/1700191-8030107.pdf?src-supplier=Element14, ComponentLink2URL=https://datasheet.ciiva.com/8030/1700191-8030107.pdf?src-supplier=Element14, ComponentLink3Description=https://datasheet.ciiva.com/26843/getdatasheetpartid-698463-26843693.pdf?src-supplier=Verical, ComponentLink3URL=https://datasheet.ciiva.com/26843/getdatasheetpartid-698463-26843693.pdf?src-supplier=Verical, ComponentLink4Description=https://datasheet.ciiva.com/29542/partnumbering-e-01-29542725.pdf?src-supplier=Digikey, ComponentLink4URL=https://datasheet.ciiva.com/29542/partnumbering-e-01-29542725.pdf?src-supplier=Digikey, ComponentLink5Description=https://datasheet.ciiva.com/29542/partnumbering-e-01-29542726.pdf?src-supplier=Digikey, ComponentLink5URL=https://datasheet.ciiva.com/29542/partnumbering-e-01-29542726.pdf?src-supplier=Digikey, ComponentLink6Description=https://datasheet.ciiva.com/16440/l0005e-16440473.pdf?src-supplier=Future+Electronics, ComponentLink6URL=https://datasheet.ciiva.com/16440/l0005e-16440473.pdf?src-supplier=Future+Electronics, Dielectric Material=Ceramic, Height=0.5mm, JESD-609 Code=e3, Length=1mm, Mounting Technology="Surface Mount", Multilayer=Yes, Packaging="Tape and Reel", Pins=2, Pricing="1=0.14, 10=0.095, 50=0.057, 100=0.0449, 500=0.03314, 1000=0.02744, 2500=0.02554, 5000=0.02336 (USD)", Reach SVHC Compliant=Yes, RoHS=Yes, RoHS Compliant=Yes, Stock=82715, Supplier=Digikey, Supplier 1=Digikey, Supplier Part Number 1=490-8087-1-ND, Terminal Finish=Nickel, Termination=Wraparound, Tolerance (fill in as +-)=6.67%, Width=0.5mm
C21: library part 1pF_0402_Capacitor, "Ceramic Capacitor, Multilayer, Ceramic, 50V, 5% +Tol, 5% -Tol, C0G, 30ppm/Cel TC, 0.000001uF, Surface Mount, 0402, GJM1555C1H1R0WB01D", Capacitor Type=Ceramic, Case/Package=0402, Manufacturer=Murata, Manufacturer Part Number=GJM1555C1H1R0WB01D, Max Operating Temperature=125°C, Min Operating Temperature=-55°C, Package Shape=Rectangular, Package Style=SMTMeter, Rated DC Voltage (URdc)=50V, Supplier Part Number=490-11193-1-ND, Temperature Characteristics Code=C0G, Tolerance  (fill in as +-)=5%, Category="Ceramic Capacitors", ComponentLink1Description=https://datasheet.ciiva.com:443/pdfs/VipMasterIC/IC/MURE/MURE-S-A0004378008/MURE-S-A0004383032-1.pdf?src-supplier=IHS+Markit, ComponentLink1URL=https://datasheet.ciiva.com:443/pdfs/VipMasterIC/IC/MURE/MURE-S-A0004378008/MURE-S-A0004383032-1.pdf?src-supplier=IHS+Markit, ComponentLink2Description=https://datasheet.ciiva.com/11616/product-11616304.pdf?src-supplier=Avnet, ComponentLink2URL=https://datasheet.ciiva.com/11616/product-11616304.pdf?src-supplier=Avnet, Dielectric Material=Ceramic, Height=0.5mm, JESD-609 Code=e3, Length=1mm, Mounting Technology="Surface Mount", Multilayer=Yes, Packaging="Tape and Reel", Pins=2, Pricing="1=0.18, 10=0.122, 50=0.073, 100=0.0574, 500=0.04242, 1000=0.03511, 2500=0.03268, 5000=0.0299 (USD)", Reach SVHC Compliant=Yes, RoHS=Yes, RoHS Compliant=Yes, Stock=48946, Supplier=Digikey, Supplier 1=Digikey, Supplier Part Number 1=490-11193-1-ND, Terminal Finish=Nickel, Termination=Wraparound, Tolerance (fill in as +-)=5%, Width=0.5mm
C22: library part 2_2nF_0402_Capacitor, "Ceramic Capacitor, Multilayer, Ceramic, 50V, 10% +Tol, 10% -Tol, X7R, 15% TC, 0.0022uF, Surface Mount, 0402, CC0402KRX7R9BB222", Capacitor Type=Ceramic, Case/Package=0402, Manufacturer=Yageo, Manufacturer Part Number=CC0402KRX7R9BB222, Max Operating Temperature=125°C, Min Operating Temperature=-55°C, Package Shape=Rectangular, Package Style=SMTMeter, Rated DC Voltage (URdc)=50V, Supplier Part Number=311-1037-1-ND, Temperature Characteristics Code=X7R, Tolerance  (fill in as +-)=10%, Category="Ceramic Capacitors", ComponentLink1Description=https://datasheet.ciiva.com:443/pdfs/VipMasterIC/IC/YAGO/YAGO-S-A0003557223/YAGO-S-A0003557223-1.pdf?src-supplier=IHS+Markit, ComponentLink1URL=https://datasheet.ciiva.com:443/pdfs/VipMasterIC/IC/YAGO/YAGO-S-A0003557223/YAGO-S-A0003557223-1.pdf?src-supplier=IHS+Markit, ComponentLink2Description=https://datasheet.ciiva.com/26862/getdatasheetpartid-315909-26862649.pdf?src-supplier=Verical, ComponentLink2URL=https://datasheet.ciiva.com/26862/getdatasheetpartid-315909-26862649.pdf?src-supplier=Verical, ComponentLink3Description=https://datasheet.ciiva.com/155/mlccorderingcode-155866.pdf?src-supplier=Digikey, ComponentLink3URL=https://datasheet.ciiva.com/155/mlccorderingcode-155866.pdf?src-supplier=Digikey, ComponentLink4Description=https://datasheet.ciiva.com/155/mlccorderingcode-155867.pdf?src-supplier=Digikey, ComponentLink4URL=https://datasheet.ciiva.com/155/mlccorderingcode-155867.pdf?src-supplier=Digikey, ComponentLink5Description=https://datasheet.ciiva.com/155/mlccorderingcode-155868.pdf?src-supplier=Digikey, ComponentLink5URL=https://datasheet.ciiva.com/155/mlccorderingcode-155868.pdf?src-supplier=Digikey, ComponentLink6Description=https://datasheet.ciiva.com/11464/upy-gphc-x7r-6-3v-to-50v-8-11464903.pdf?src-supplier=Avnet, ComponentLink6URL=https://datasheet.ciiva.com/11464/upy-gphc-x7r-6-3v-to-50v-8-11464903.pdf?src-supplier=Avnet, ComponentLink7Description=https://datasheet.ciiva.com/8033/1489800-8033625.pdf?src-supplier=Element14, ComponentLink7URL=https://datasheet.ciiva.com/8033/1489800-8033625.pdf?src-supplier=Element14, ComponentLink8Description=https://datasheet.ciiva.com/8033/70765-8033626.pdf?src-supplier=Element14, ComponentLink8URL=https://datasheet.ciiva.com/8033/70765-8033626.pdf?src-supplier=Element14, ComponentLink9Description=https://datasheet.ciiva.com/8033/1489800-8033627.pdf?src-supplier=Element14, ComponentLink9URL=https://datasheet.ciiva.com/8033/1489800-8033627.pdf?src-supplier=Element14, Dielectric Material=Ceramic, Height=0.5mm, JESD-609 Code=e3, Length=1mm, Mounting Technology="Surface Mount", Multilayer=Yes, Packaging="Tape and Reel", Pins=2, Pricing="1=0.1, 10=0.017, 50=0.0098, 100=0.0076, 500=0.00572, 1000=0.0045, 2500=0.00409, 5000=0.00376 (USD)", Reach SVHC Compliant=Yes, RoHS=Yes, RoHS Compliant=Yes, Stock=310458, Supplier=Digikey, Supplier 1=Digikey, Supplier Part Number 1=311-1037-1-ND, Terminal Finish=Nickel, Termination=Wraparound, Tolerance (fill in as +-)=10%, Width=0.5mm
C23: library part 4_7pF_0402_Capacitor, "Ceramic Capacitor, Multilayer, Ceramic, 50V, 5.32% +Tol, 5.32% -Tol, C0G, 30ppm/Cel TC, 0.0000047uF, Surface Mount, 0402, GJM1555C1H4R7CB01D", Capacitor Type=Ceramic, Case/Package=0402, Manufacturer=Murata, Manufacturer Part Number=GJM1555C1H4R7CB01D, Max Operating Temperature=125°C, Min Operating Temperature=-55°C, Package Shape=Rectangular, Package Style=SMTMeter, Rated DC Voltage (URdc)=50V, Supplier Part Number=490-3100-1-ND, Temperature Characteristics Code=C0G, Tolerance  (fill in as +-)=5.32%, Category="Ceramic Capacitors", ComponentLink1Description=https://datasheet.ciiva.com:443/pdfs/VipMasterIC/IC/MURE/MURE-S-A0008911298/MURE-S-A0008911422-1.pdf?src-supplier=IHS+Markit, ComponentLink1URL=https://datasheet.ciiva.com:443/pdfs/VipMasterIC/IC/MURE/MURE-S-A0008911298/MURE-S-A0008911422-1.pdf?src-supplier=IHS+Markit, ComponentLink2Description=https://datasheet.ciiva.com/11789/0900766b80ef921d-11789169.pdf?src-supplier=Rs, ComponentLink2URL=https://datasheet.ciiva.com/11789/0900766b80ef921d-11789169.pdf?src-supplier=Rs, ComponentLink3Description=https://datasheet.ciiva.com/11613/product-11613025.pdf?src-supplier=Avnet, ComponentLink3URL=https://datasheet.ciiva.com/11613/product-11613025.pdf?src-supplier=Avnet, ComponentLink4Description=https://datasheet.ciiva.com/18183/getdatasheetpartid-178941-18183849.pdf?src-supplier=Verical, ComponentLink4URL=https://datasheet.ciiva.com/18183/getdatasheetpartid-178941-18183849.pdf?src-supplier=Verical, ComponentLink5Description=https://datasheet.ciiva.com/8030/1700177-8030123.pdf?src-supplier=Element14, ComponentLink5URL=https://datasheet.ciiva.com/8030/1700177-8030123.pdf?src-supplier=Element14, ComponentLink6Description=https://datasheet.ciiva.com/5694/1700177-5694989.pdf?src-supplier=Farnell, ComponentLink6URL=https://datasheet.ciiva.com/5694/1700177-5694989.pdf?src-supplier=Farnell, ComponentLink7Description=https://datasheet.ciiva.com/133/partnumbering-e-01-133147.pdf?src-supplier=Digikey, ComponentLink7URL=https://datasheet.ciiva.com/133/partnumbering-e-01-133147.pdf?src-supplier=Digikey, ComponentLink8Description=https://datasheet.ciiva.com/133/partnumbering-e-01-133148.pdf?src-supplier=Digikey, ComponentLink8URL=https://datasheet.ciiva.com/133/partnumbering-e-01-133148.pdf?src-supplier=Digikey, ComponentLink9Description=https://datasheet.ciiva.com/133/partnumbering-e-01-133149.pdf?src-supplier=Digikey, ComponentLink9URL=https://datasheet.ciiva.com/133/partnumbering-e-01-133149.pdf?src-supplier=Digikey, ComponentLink10Description=https://datasheet.ciiva.com/16440/l0005e-16440462.pdf?src-supplier=Future+Electronics, ComponentLink10URL=https://datasheet.ciiva.com/16440/l0005e-16440462.pdf?src-supplier=Future+Electronics, Dielectric Material=Ceramic, Height=0.5mm, JESD-609 Code=e3, Length=1mm, Mounting Technology="Surface Mount", Multilayer=Yes, Packaging="Tape and Reel", Pins=2, Pricing="1=0.1, 10=0.047, 50=0.0268, 100=0.0208, 500=0.01566, 1000=0.0123, 2500=0.01118, 5000=0.01029 (USD)", Reach SVHC Compliant=Yes, RoHS=Yes, RoHS Compliant=Yes, Stock=754324, Supplier=Digikey, Supplier 1=Digikey, Supplier Part Number 1=490-3100-1-ND, Terminal Finish=Nickel, Termination=Wraparound, Tolerance (fill in as +-)=5.32%, Width=0.5mm